# Altium PCB ASCII_LimeSDR-USB_1v4.PcbDoc (part 8 of 10) (continued)
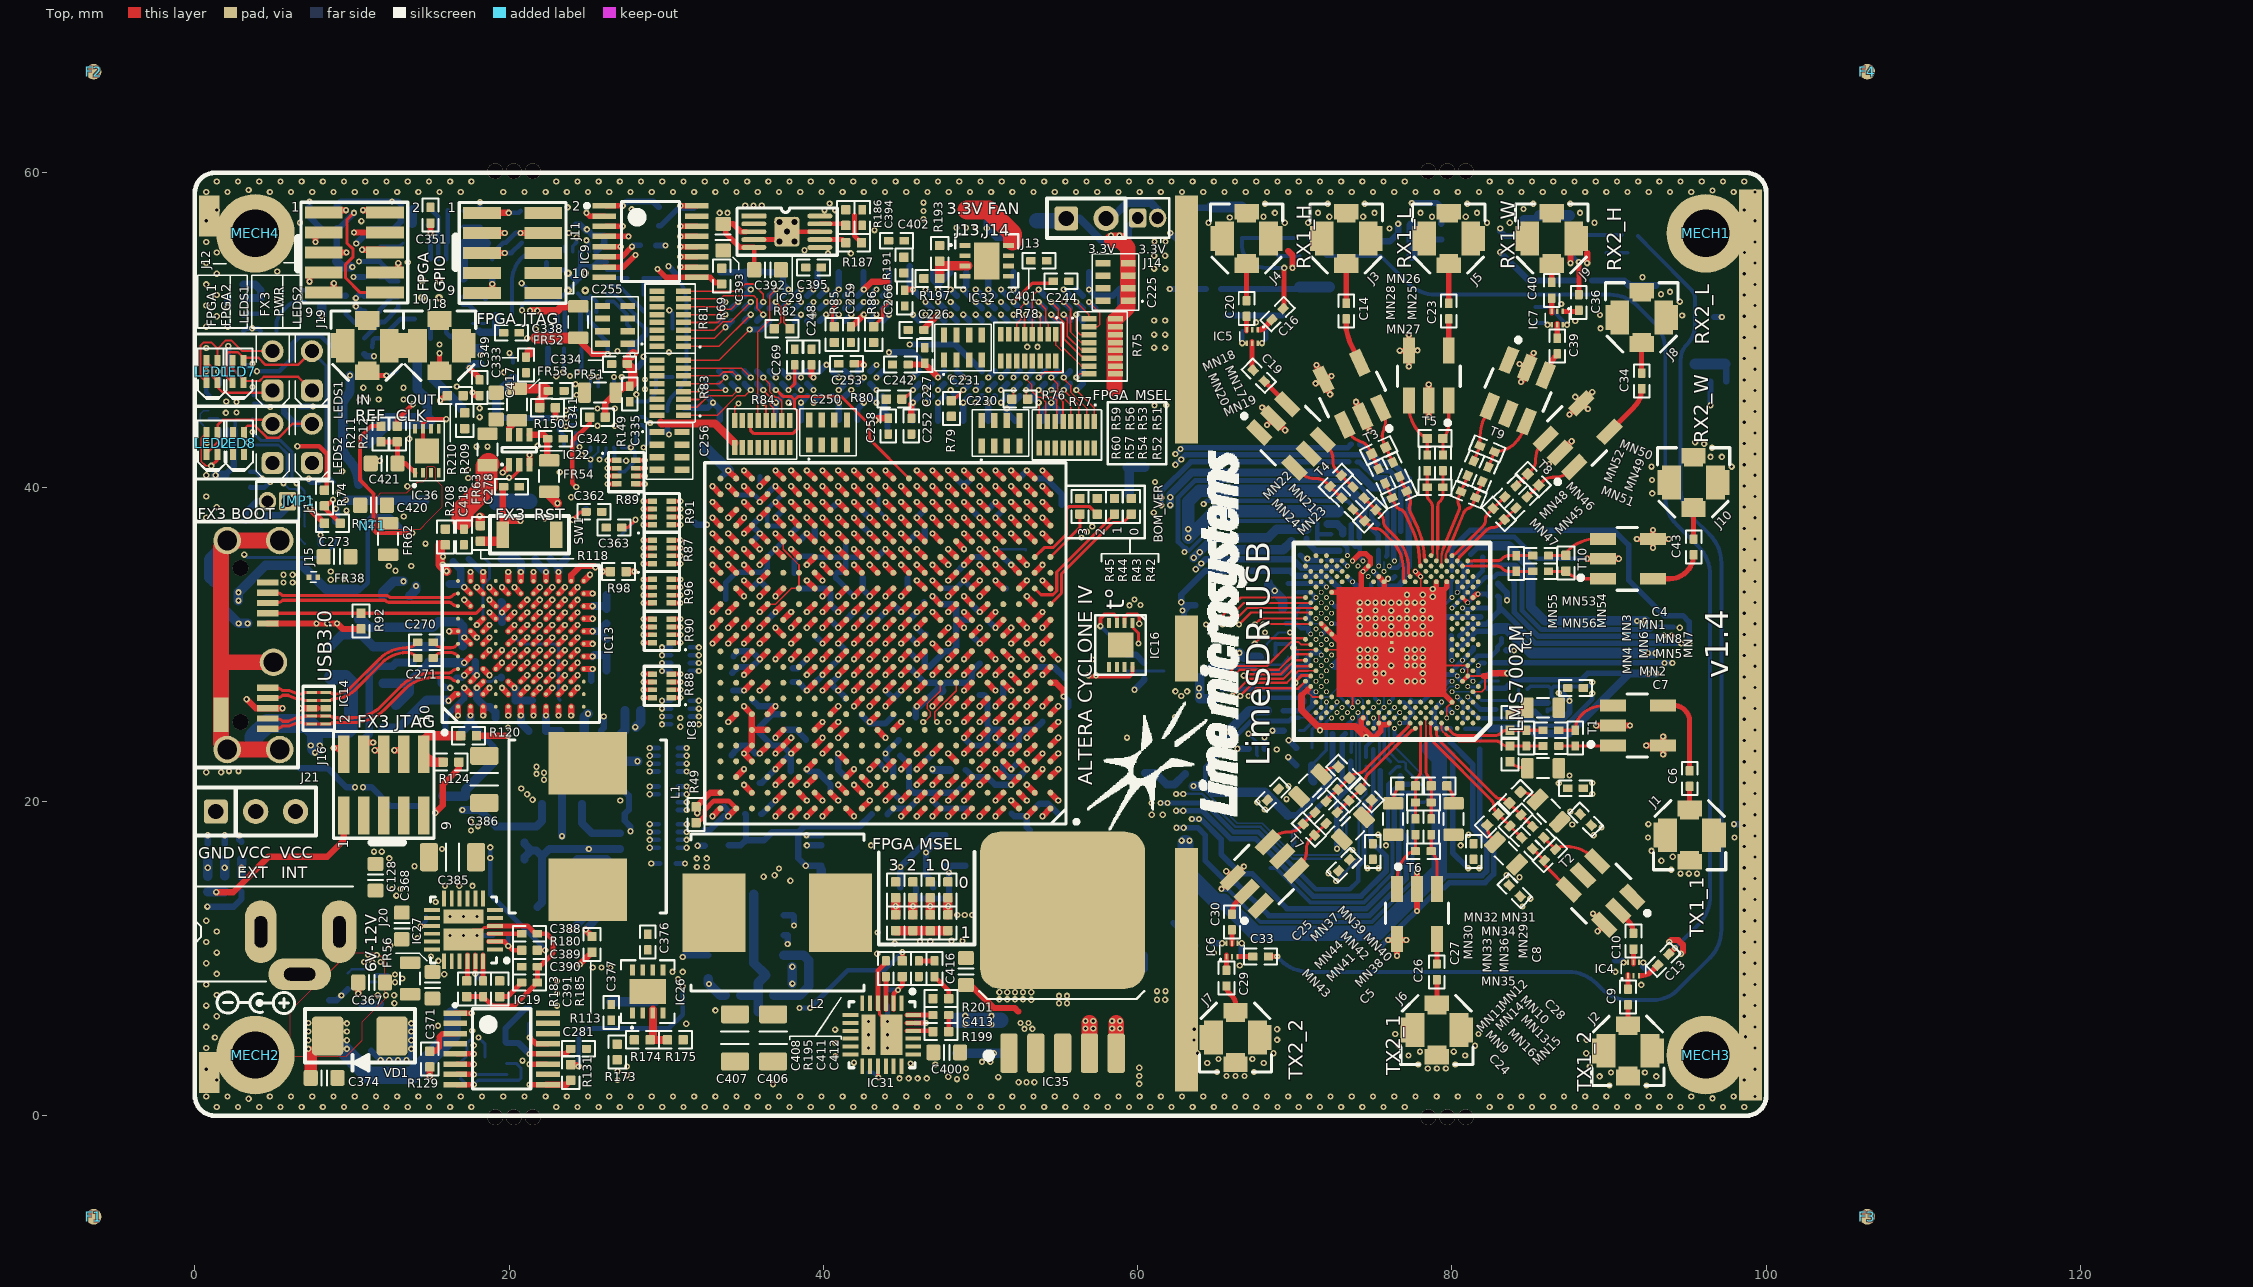
[diagram p0: Top view]
## Nets (pads, with @x,y where several pads share a name; then routed paths per layer and width w, separated by ;. In a path a pad name is that pad's centre, name@x,y a point inside that pad or via, vN(x,y) a via of type N, cw(c..) or ccw(c..) an arc to the next point about the centre after c; other vN are vias at no path point) (continued)
RXRF2_LAB_P: IC1.AN5 MN45.2 MN47.2 | length 5.1
  Top w0.2: IC1.AN5@80.339,35.304 80.374,35.339 ccw(c80.215,35.497) 80.439,35.497 82.223,37.281 cw(c82.582,36.922) 82.582,37.43 82.628,37.43 ccw(c82.628,37.938) 82.987,37.579 83.336,37.927 MN45.2@84.078,38.669
RXRF2_LBB_N: MN46.1 MN48.1 T8.3 | length 3.7
  Top w0.2: MN48.1@84.078,40.083 MN46.1@84.82,40.826 84.846,40.851 85.068,41.073 ccw(c84.445,41.697) 85.326,41.696 85.326,41.789 cw(c86.85,41.789) 85.772,42.867 T8.3@85.98,43.075
RXRF2_LBB_P: MN45.1 MN46.2 T8.1 | length 3.7
  Top w0.2: MN45.1@84.785,39.376 85.068,39.659 MN46.2@85.528,40.119 85.775,40.366 cw(c86.398,39.743) 86.398,40.624 86.491,40.624 ccw(c86.491,42.148) 87.568,41.071 T8.1@87.776,41.278
RXRF2_WAB_N: IC1.AM4 MN55.2 MN56.2 | length 4.6
  Top w0.11: IC1.AM4@80.672,34.971 81.226,34.971
  Top w0.2: 81.226,34.971 81.373,34.971 81.377,34.968 82.851,34.968 cw(c82.851,34.46) 83.21,34.819 83.243,34.787 ccw(c83.602,35.146) 83.602,34.638 MN55.2@84.094,34.638 MN56.2@85.144,34.638
RXRF2_WAB_P: IC1.AN3 MN53.2 MN55.1 | length 4.2
  Top w0.2: IC1.AN3@81.005,35.304 81.369,35.304 81.373,35.308 82.851,35.308 ccw(c82.851,35.816) 83.21,35.457 83.243,35.489 cw(c83.602,35.13) 83.602,35.638 MN55.1@84.094,35.638 MN53.2@85.144,35.638
RXRF2_WBB_N: MN54.1 MN56.1 T10.1 | length 3.5
  Top w0.2: MN56.1@86.144,34.638 86.544,34.638 MN54.1@87.194,34.638 ; MN54.1@87.254,34.643 ccw(c88.401,35.79) 88.401,34.168 T10.1@89.604,34.168
RXRF2_WBB_P: MN53.1 MN54.2 T10.3 | length 3.8
  Top w0.2: MN53.1@86.144,35.638 MN54.2@87.194,35.638 ; MN54.2@87.254,35.643 cw(c87.704,35.643) 87.386,35.961 87.389,35.964 cw(c89.185,34.168) 89.185,36.708 T10.3@89.604,36.708
SI5351_XTAL_N: C363.2 IC24.2 XT2.3 | length 15.3
  Top w0.2: C363.2@27.175,37.425 27.55,37.425 v1(28.05,37.925)
  L9 w0.2: v1(25.675,47) 25.575,46.9 25.575,46.151 25.075,45.651 25.075,44.001 23.925,42.851 23.925,41.274 26.2,38.999 26.2,38.4 26.675,37.925 v1(28.05,37.925)
  Bottom w0.2: IC24.2@25.675,46.375 v1(25.675,47) ; XT2.3@27.175,37 28.05,37.875 v1(28.05,37.925)
SI5351_XTAL_P: C362.2 IC24.1 XT2.1 | length 15.2
  Top w0.2: v1(24.05,37.925) 24.55,38.425 C362.2@24.9,38.425
  L9 w0.2: v1(24.05,37.925) 25.425,37.925 25.9,38.4 25.9,38.875 23.625,41.15 23.625,42.975 24.775,44.125 24.775,45.775 25.275,46.275 25.275,46.9 v1(25.175,47)
  Bottom w0.2: v1(24.05,37.925) 24.825,38.7 XT2.1@24.975,38.7 ; IC24.1@25.175,46.375 v1(25.175,47)
SI_CLK0: IC8.T2 IC24.13 | length 70.2
  Top w0.4: IC8.T2@53.45,34.55 v2(53.95,35.05)
  L10 w0.1: v1(25.75,41.75) 25.4,41.4 24.805,41.4 21.9,44.305 21.9,48.25 24.525,50.875 32.275,50.875 33.7,52.3 33.7,54.05 34.795,55.145 38.375,55.145 39.13,55.9 53.37,55.9 56.45,52.82 56.45,50.83 53.3,47.68 53.3,35.7 v2(53.95,35.05)
  Bottom w0.2: v1(25.75,41.75) 26.175,42.175 IC24.13@26.175,42.525
SI_CLK1: IC8.AA12 IC24.12 | length 40
  Top w0.4: v1(42.95,40.05) IC8.AA12@43.45,39.55
  L10 w0.1: v1(27.45,41.675) 27.355,41.675 22.55,46.48 22.55,48.051 24.774,50.275 31.675,50.275 33.775,48.175 41.25,48.175 42.2,47.225 42.2,41.95 42.475,41.675 42.475,40.525 v1(42.95,40.05)
  Bottom w0.25: IC24.12@26.675,42.525 26.7,42.5 26.7,41.875 26.9,41.675 v1(27.45,41.675)
SI_CLK2: IC8.AB12 IC24.9 | length 18.1
  Top w0.4: v1(42.95,41.05) IC8.AB12@43.45,40.55
  L6 w0.1: v1(28.55,42.525) 30.25,42.525 30.9,41.875 35.7,41.875 36.85,40.725 42.625,40.725 v1(42.95,41.05)
  Bottom w0.25: IC24.9@28.1,43.95 28.499,43.95 28.875,43.574 28.875,42.85 v1(28.55,42.525)
SI_CLK3: IC8.T22 IC24.8 | length 15
  Top w0.4: v1(32.95,35.05) IC8.T22@33.45,34.55
  L3 w0.1: v1(28.975,44.075) 28.2,43.3 28.2,42.275 28.4,42.075 28.85,42.075 30.525,40.4 30.525,35.005 30.755,34.775 32.675,34.775 v1(32.95,35.05)
  Bottom w0.25: IC24.8@28.1,44.45 28.6,44.45 v1(28.975,44.075)
SI_CLK4: IC24.19 R148.2 | length 8.3
  L4 w0.1: v1(23.625,44.875) cw(c23.625,44.09) 24.18,44.645 24.731,44.094 ccw(c26.527,45.89) 26.527,43.35 v1(30.175,43.35)
  Bottom w0.25: v1(23.625,44.875) 23.7,44.95 IC24.19@24.25,44.95 ; R148.2@30.025,43.875 R148.2@30.05,43.9
  Bottom w0.4: R148.2@30.075,43.85 30.075,43.45 v1(30.175,43.35)
SI_CLK5: IC8.G1 IC24.17 | length 42.8
  Top w0.4: IC8.G1@54.45,25.55 v2(54.95,26.05)
  L10 w0.1: v1(23.625,43.85) 24.897,43.85 27.1,41.647 27.1,41.045 30.062,38.083 30.062,35.468 31.2,34.33 31.2,33.35 32.175,32.375 40.325,32.375 40.617,32.667 47.508,32.667 47.85,32.325 48.2,32.325 54.475,26.05 v2(54.95,26.05)
  Bottom w0.25: v1(23.625,43.85) 23.725,43.95 IC24.17@24.25,43.95
SI_CLK6: IC8.AA11 IC24.16 | length 38.7
  Top w0.4: v1(43.95,40.05) IC8.AA11@44.45,39.55
  L10 w0.1: v1(24.475,42.55) 24.305,42.55 22.3,44.555 22.3,48.084 24.691,50.475 31.758,50.475 33.858,48.375 41.333,48.375 42.458,47.25 42.675,47.25 42.85,47.075 42.85,43.825 43.475,43.2 43.475,40.525 v1(43.95,40.05)
  Bottom w0.25: IC24.16@24.25,43.45 24.25,42.775 v1(24.475,42.55)
SI_CLK7: IC8.AB11 IC24.15 | length 38.7
  Top w0.4: v1(43.95,41.05) IC8.AB11@44.45,40.55
  L10 w0.1: v1(24.65,42.05) 24.48,42.05 22.1,44.43 22.1,48.167 24.608,50.675 31.841,50.675 33.941,48.575 41.416,48.575 42.541,47.45 42.758,47.45 43.05,47.158 43.05,43.908 43.725,43.233 43.725,41.275 v1(43.95,41.05)
  Bottom w0.25: v1(24.65,42.05) 24.874,42.05 25.175,42.351 IC24.15@25.175,42.525
TCXO_VC: R150.1 R157.2 XO1.1 XO2.1 | length 7.6
  Top w0.4: v1(22.95,44.4) R150.1@22.95,45.05
  Bottom w0.4: XO2.1@19.2,44.4 v1(22.95,44.4)
  Bottom w0.6: XO2.1@19.2,44.225 19.2,45.882 R157.2@20.26,46.943
TX1_2_LB_AT: C15.1 IC8.E16 R14.2 | length 156.5
  Top w0.4: IC8.E16@39.45,23.55 v1(39.95,24.05)
  L4 w0.1: v1(39.95,24.05) 39.738,24.05 38.7,23.012 38.7,22.525 37.475,21.3 37.475,19.929 36.675,19.129 36.675,18.941 37.575,18.041 37.575,16.846 39.021,15.4 41.784,15.4 43.109,14.075 52.484,14.075 60.309,6.25 63.976,6.25 65.226,5 67.299,5 69.324,7.025 75.761,7.025 77.736,5.05 80.464,5.05 83.164,7.75 92.85,7.75 97.2,12.1 97.2,36.466 97.5,36.766 97.5,39.764 94.7,42.564 94.7,49.714 88.664,55.75 88.425,55.75 65.2,55.75 v1(62.05,52.6)
  Bottom w0.4: v1(62.05,52.6) C15.1@63.275,52.6 R14.2@64.325,52.6
TX1_2_LB_H: C11.2 C22.2 IC4.4 IC5.6 IC8.F15 | length 152
  Top w0.4: IC8.F15@40.45,24.55 v1(40.95,25.05)
  L4 w0.1: v1(40.95,25.05) 40.325,24.425 40.325,23.93 39.995,23.6 39.571,23.6 38.9,22.929 38.9,22.442 37.689,21.231 37.689,19.709 37.3,19.319 37.3,18.759 37.775,18.284 37.775,16.949 38.449,16.275 39.642,16.275 40.317,15.6 41.867,15.6 43.192,14.275 52.567,14.275 60.392,6.45 64.059,6.45 65.309,5.2 67.216,5.2 69.241,7.225 75.844,7.225 77.819,5.25 80.381,5.25 84.631,9.5 90.545,9.5 90.72,9.325 91.75,9.325 v1(92.175,9.75) 92.175,10 97,14.825 97,36.549 97.3,36.849 97.3,39.682 94.5,42.481 94.5,49.631 88.581,55.55 88.288,55.55 72.4,55.55 69.9,53.05 69.9,50.108 68.951,49.159 v1(67.909,49.159)
  Bottom w0.254: v1(67.909,49.159) 68.2,49.45 C22.2@68.2,49.925
  Bottom w0.4: v1(92.175,9.75) 92.175,9.475 C11.2@92.571,9.079
TX1_2_LB_L: C12.2 C21.2 IC4.6 IC5.4 IC8.F14 | length 151
  Top w0.4: v1(40.95,24.05) IC8.F14@41.45,24.55
  L4 w0.1: v1(40.95,24.05) 40.889,24.05 40.239,23.4 39.805,23.4 39.3,22.895 39.3,21.905 39.095,21.7 38.775,21.7 38.3,21.225 38.3,20.743 37.975,20.418 37.975,19.711 37.5,19.236 37.5,18.842 37.975,18.367 37.975,17.031 38.531,16.475 39.725,16.475 40.4,15.8 41.95,15.8 43.275,14.475 52.65,14.475 60.475,6.65 64.142,6.65 65.392,5.4 67.133,5.4 69.158,7.425 75.926,7.425 77.901,5.45 80.299,5.45 84.599,9.75 v1(90.925,9.75) 91.68,9.75 91.975,10.045 91.975,10.083 96.8,14.908 96.8,36.631 97.1,36.931 97.1,39.599 94.3,42.399 94.3,49.549 88.499,55.35 72.483,55.35 70.1,52.967 70.1,50.025 68.825,48.75 67.067,48.75 v1(66.659,49.159)
  Bottom w0.254: v1@66.675,49.175 C21.2@66.675,49.925
  Bottom w0.4: C12.2@90.4,9.875 90.8,9.875 v1(90.925,9.75)
TX1_2_LB_SH: C17.1 C18.1 IC8.G15 R16.2 R17.1 | length 164.1
  Top w0.4: IC8.G15@40.45,25.55 v1(40.95,26.05)
  L4 w0.1: v1(40.95,26.05) 40.353,25.453 40.353,24.947 38.5,23.095 38.5,22.812 37.163,21.475 36.883,21.475 36.475,21.067 36.475,18.858 37.375,17.958 37.375,16.764 38.939,15.2 41.701,15.2 43.026,13.875 52.401,13.875 60.226,6.05 63.894,6.05 65.144,4.8 67.381,4.8 69.406,6.825 75.678,6.825 77.653,4.85 80.547,4.85 83.247,7.55 92.933,7.55 97.4,12.017 97.4,36.383 97.7,36.683 97.7,39.847 94.9,42.647 94.9,49.797 88.747,55.95 88.508,55.95 78,55.95 77.45,56.5 ; v1(62.075,56.175) 62.3,55.95 76.9,55.95 77.45,56.5 ; v1(77.45,58.075) 77.45,56.5
  Bottom w0.4: v1(62.075,56.175) 62.55,55.7 C18.1@63.275,55.7 R17.1@63.275,56.775 ; v1(77.45,58.075) 79.05,58.075 C17.1@79.325,57.8 R16.2@79.325,56.75
TX2_2_LB_AT: C35.1 IC8.E15 R18.2 | length 131.5
  Top w0.4: v1(39.95,23.05) IC8.E15@40.45,23.55
  L4 w0.1: v1(39.95,23.05) 39.5,22.6 39.5,21.822 39.178,21.5 38.858,21.5 38.5,21.142 38.5,20.661 38.175,20.336 38.175,19.629 37.7,19.154 37.7,18.925 38.175,18.45 38.175,17.114 38.614,16.675 39.808,16.675 40.483,16 42.033,16 43.358,14.675 52.733,14.675 60.558,6.85 64.225,6.85 65.475,5.6 67.05,5.6 69.075,7.625 76.009,7.625 77.984,5.65 80.216,5.65 84.516,9.95 90.1,9.95 91.05,10.9 92.509,10.9 96.6,14.991 96.6,36.714 96.9,37.014 96.9,39.516 94.1,42.316 94.1,49.466 88.416,55.15 83.275,55.15 v1(83.075,54.95)
  Bottom w0.4: v1(83.075,54.95) 84.875,53.15 C35.1@86.875,53.15 R18.2@87.925,53.15
TX2_2_LB_H: C31.2 C42.2 IC6.4 IC7.6 IC8.H11 | length 126.9
  Top w0.4: v1(43.95,26.05) IC8.H11@44.45,26.55
  L4 w0.1: v1(43.95,26.05) 43.95,25.555 42.995,24.6 42.429,24.6 41.429,23.6 40.722,23.6 40.4,23.278 40.4,22.571 39.925,22.096 39.925,21.183 39.362,20.62 38.742,20.62 38.375,20.253 38.375,17.197 38.697,16.875 39.891,16.875 40.566,16.2 42.117,16.2 43.417,14.9 52.792,14.9 56.917,10.775 65,10.775 65.225,10.55 66.2,10.55 v1(66.625,10.975) 69.775,7.825 76.092,7.825 78.067,5.85 80.133,5.85 84.433,10.15 90.017,10.15 90.967,11.1 92.426,11.1 96.4,15.074 96.4,36.797 96.7,37.097 96.7,39.433 93.9,42.233 93.9,49.383 91.608,51.675 88.325,51.675 87.325,50.675 v1(87.325,50.325)
  Bottom w0.254: C42.2@85.325,51.45 86.2,51.45 v1(87.325,50.325)
  Bottom w0.4: C31.2@66.625,10.3 v1(66.625,10.975)
TX2_2_LB_L: C32.2 C41.2 IC6.6 IC7.4 IC8.F11 | length 125.1
  Top w0.4: IC8.F11@44.45,24.55 v1(44.95,25.05)
  L4 w0.1: v1(44.95,25.05) 44.3,24.4 43.825,24.4 43.225,23.8 41.912,23.8 41.512,23.4 40.805,23.4 40.6,23.195 40.6,22.488 40.125,22.013 40.125,21.1 39.445,20.42 38.825,20.42 38.575,20.17 38.575,18.775 40.95,16.4 42.2,16.4 43.5,15.1 52.875,15.1 57,10.975 v1(65.375,10.975) 66.13,10.975 66.48,11.325 66.77,11.325 66.975,11.12 66.975,10.908 69.858,8.025 76.175,8.025 78.15,6.05 80.05,6.05 84.35,10.35 89.934,10.35 90.884,11.3 92.344,11.3 96.2,15.156 96.2,36.88 96.5,37.18 96.5,39.35 93.7,42.15 93.7,49.3 91.525,51.475 88.475,51.475 88.2,51.2 88.2,50.43 87.745,49.975 86.425,49.975 v1(86.075,50.325)
  Bottom w0.254: C41.2@85.325,50.45 85.95,50.45 v1(86.075,50.325)
  Bottom w0.4: C32.2@64.775,10.975 v1(65.375,10.975)
TX2_2_LB_SH: C37.1 C38.1 IC8.F16 R20.1 R21.2 | length 139.6
  Top w0.4: IC8.F16@39.45,24.55 v1(39.95,25.05)
  L4 w0.1: v1(39.95,25.05) 38.3,23.4 38.3,22.895 37.08,21.675 36.8,21.675 36.275,21.15 36.275,18.775 37.175,17.875 37.175,16.681 38.856,15 41.619,15 42.944,13.675 52.319,13.675 60.144,5.85 63.811,5.85 65.061,4.6 67.464,4.6 69.489,6.625 75.595,6.625 77.57,4.65 80.63,4.65 83.33,7.35 93.016,7.35 97.6,11.934 97.6,36.3 97.9,36.6 97.9,39.93 95.1,42.73 95.1,44.775 95.525,45.2 ; v1(83.075,56.45) 83.375,56.15 88.6,56.15 88.83,56.15 95.1,49.88 95.1,45.625 95.525,45.2 ; v1@96.45,45.2 95.525,45.2
  Bottom w0.4: v1(83.075,56.45) 83.075,56.275 83.375,55.975 R20.1@84.425,55.975 ; v1(96.455,45.21) C38.1@96.455,45.66 R21.2@96.455,46.712
TXPLL_CLK: C324.2 IC1.E5 R139.1 | length 73.4
  L10 w0.1: v1(24.325,47.3) 24.331,47.306 cw(c26.127,45.51) 26.127,48.05 27.073,48.05 cw(c27.073,45.51) 28.869,47.306 cw(c27.164,45.601) 29.575,45.601 29.575,45.594 ccw(c32.115,45.594) 30.091,44.059 ccw(c32.115,45.594) 30.319,43.797 31.009,43.107 cw(c28.985,41.573) 31.525,41.573 31.525,34.875 ccw(c33,34.875) 33,33.4 40.242,33.4 ccw(c40.242,34.083) 40.725,33.6 cw(c41.147,33.178) 41.147,33.775 45.053,33.775 cw(c45.053,33.178) 45.475,33.6 ccw(c45.958,34.083) 45.958,33.4 65.248,33.4 cw(c65.248,30.86) 67.044,32.656 67.231,32.469 ccw(c69.027,34.265) 69.027,31.725 70.007,31.725 cw(c70.007,30.957) 70.55,31.5 ccw(c71.032,31.982) 71.032,31.3 71.375,31.3 cw(c71.375,30.577) 71.887,31.088 72.056,30.919 ccw(c73.852,32.715) 73.852,30.175 77.95,30.175 cw(c77.95,29.425) 78.7,29.425 78.7,28.55 ccw(c80.947,28.55) 79.358,26.961 v4(80.339,25.98)
  Bottom w0.254: v1(24.325,47.3) 24.6,47.575 C324.2@24.6,47.775 R139.1@24.6,48.813
TXRF1_1AB_N: IC1.A7 MN3.1 MN6.1 MN8.1 | length 6.4
  Top w0.2: IC1.A7@79.673,24.648 79.708,24.613 79.756,24.613 80.001,24.369 ccw(c80.426,24.794) 80.426,24.193 82.755,24.193 ccw(c82.755,24.701) 83.114,24.342 83.147,24.374 cw(c83.506,24.015) 83.506,24.523 MN3.1@83.695,24.523 84.095,24.523 84.745,24.523 MN8.1@85.795,24.523
TXRF1_1AB_P: IC1.B8 MN4.1 MN5.2 MN6.2 | length 7.2
  Top w0.11: IC1.B8@79.34,24.981 79.34,24.626 ccw(c79.608,24.626) 79.418,24.436 79.568,24.286
  Top w0.2: 79.611,24.278 79.761,24.128 ccw(c80.426,24.794) 80.426,23.853 82.755,23.853 cw(c82.755,23.345) 83.114,23.704 83.147,23.672 ccw(c83.506,24.031) 83.506,23.523 MN4.1@83.695,23.523 84.745,23.523 MN5.2@85.795,23.523
TXRF1_1BB_N: MN7.1 MN8.2 T1.3 | length 4.2
  Top w0.2: MN8.2@86.795,24.523 MN7.1@87.845,24.523 cw(c89.245,24.523) 88.255,25.512 cw(c89.656,24.111) 89.656,26.093 T1.3@90.113,26.093
TXRF1_1BB_P: MN5.1 MN7.2 T1.1 | length 3.5
  Top w0.2: MN5.1@86.795,23.523 87.195,23.523 MN7.2@87.845,23.523 90.183,23.523 ccw(c90.183,23.625) T1.1@90.255,23.553
TXRF1_2AB_N: IC1.B10 MN11.1 MN14.2 MN16.2 | length 9.6
  Top w0.19: 78.626,24.481 78.626,24.865 cw(c78.79,24.865) IC1.B10@78.674,24.981
  Top w0.2: 78.626,24.481 ccw(c79.876,24.481) 78.992,23.597 82.405,20.184 82.518,20.071 cw(c82.159,19.712) 82.667,19.712 82.667,19.666 ccw(c83.175,19.666) 82.815,19.307 82.95,19.173 83.232,18.89 MN14.2@83.692,18.43 MN16.2@84.434,17.688
TXRF1_2AB_P: IC1.A9 MN12.1 MN13.2 MN14.1 | length 9
  Top w0.2: IC1.A9@79.007,24.648 79.007,24.373 ccw(c79.757,24.373) 79.227,23.843 82.713,20.357 82.758,20.311 ccw(c83.118,20.671) 83.118,20.163 83.163,20.163 cw(c83.163,19.655) 83.523,20.014 83.939,19.597 MN14.1@84.399,19.137 MN13.2@85.142,18.395
TXRF1_2BB_N: MN15.1 MN16.1 T2.4 | length 3.5
  Top w0.2: MN16.1@85.142,16.981 MN15.1@85.884,16.238 85.884,16.01 ccw(c86.031,16.01) 85.927,15.906 T2.4@87.444,14.39
TXRF1_2BB_P: MN13.1 MN15.2 T2.6 | length 4
  Top w0.2: MN13.1@85.849,17.688 MN15.2@86.591,16.945 cw(c87.023,16.513) 87.023,17.124 87.249,17.124 cw(c87.249,14.584) 88.987,16.437 cw(c87.249,14.584) 89.032,16.393 cw(c87.249,14.584) 89.045,16.38 T2.6@89.24,16.186
TXRF2_1AB_N: IC1.C11 MN31.1 MN34.1 MN36.1 | length 6.5
  Top w0.11: 78.341,24.809 IC1.C11@78.341,25.314
  Top w0.14: 78.341,24.809 78.341,24.069 78.35,24.059
  Top w0.2: 78.35,24.059 78.35,21.924 ccw(c78.858,21.924) 78.499,21.565 78.532,21.533 cw(c78.173,21.173) 78.681,21.173 MN31.1@78.681,20.984 78.681,20.584 MN34.1@78.68,19.934 MN36.1@78.68,18.884
TXRF2_1AB_P: IC1.B12 MN32.1 MN33.2 MN34.2 | length 6.2
  Top w0.14: IC1.B12@78.008,24.981 cw(c77.979,24.952) 78.02,24.952 78.02,24.069 78.01,24.059
  Top w0.2: MN33.2@77.68,18.884 MN34.2@77.68,19.934 MN32.1@77.68,20.984 77.68,21.173 cw(c78.188,21.173) 77.829,21.533 77.862,21.565 ccw(c77.502,21.924) 78.01,21.924 78.01,24.059
TXRF2_1BB_N: MN35.1 MN36.2 T6.3 | length 3.6
  Top w0.2: MN36.2@78.68,17.884 MN35.1@78.68,16.834 cw(c77.787,15.941) 79.05,15.941 T6.3@79.05,14.424
TXRF2_1BB_P: MN33.1 MN35.2 T6.1 | length 4
  Top w0.2: T6.1@76.51,14.424 76.51,15.014 cw(c78.791,15.014) 77.178,16.626 cw(c77.681,16.124) MN35.2@77.68,16.834 77.68,17.484 MN33.1@77.68,17.884
TXRF2_2AB_N: IC1.B14 MN39.1 MN42.2 MN44.2 | length 7.4
  Top w0.2: MN44.2@71.993,20.007 MN42.2@72.736,20.749 MN39.1@73.478,21.492 73.612,21.626 cw(c73.971,21.266) 73.971,21.774 74.017,21.774 ccw(c74.017,22.282) 74.377,21.923 74.924,22.471 77.242,24.789 cw(c77.466,24.789) 77.307,24.947 IC1.B14@77.342,24.981
TXRF2_2AB_P: IC1.A13 MN40.1 MN41.2 MN42.1 | length 7.4
  Top w0.2: MN41.2@72.7,19.3 MN42.1@73.443,20.042 73.902,20.502 MN40.1@74.185,20.784 74.319,20.919 ccw(c73.96,21.278) 74.468,21.278 74.468,21.324 cw(c74.976,21.324) 74.617,21.683 75.164,22.23 77.482,24.548 ccw(c77.482,24.772) 77.64,24.614 IC1.A13@77.675,24.648
TXRF2_2BB_N: MN43.1 MN44.1 T7.4 | length 3.7
  Top w0.2: T7.4@68.295,17.397 68.503,17.605 cw(c69.58,16.528) 69.58,18.052 69.673,18.052 ccw(c69.673,18.933) 70.296,18.31 MN43.1@70.544,18.557 71.003,19.017 MN44.1@71.286,19.3
TXRF2_2BB_P: MN41.1 MN43.2 T7.6 | length 3.7
  Top w0.2: T7.6@70.091,15.601 70.299,15.809 ccw(c69.221,16.887) 70.745,16.887 70.745,16.979 cw(c71.626,16.979) 71.003,17.602 MN43.2@71.251,17.85 MN41.1@71.993,18.592
VCC1P2: C115.2 C116.2 C117.2 C118.1 C119.1 C189.1 C190.1 C191.1 C192.1 C193.1 C194.1 C195.1 C196.1 C197.1 C198.1 C199.1 C200.1 C201.1 C202.1 C207.1 C208.1 C209.1 C210.1 C211.1 C212.1 C213.1 C214.1 C215.1 C216.1 C217.1 C218.1 C219.1 C220.1 C406.2 C407.2 FR36.1 FR44.2 FR45.2 FR46.2 FR48.1 IC8.G12 IC8.H9 IC8.J10 IC8.J11 IC8.J12 IC8.J13 IC8.J14 IC8.J16 IC8.K9 IC8.K14 IC8.K15 IC8.L9 IC8.L14 IC8.L16 IC8.M9 IC8.M14 IC8.M15 IC8.N9 IC8.N14 IC8.P9 IC8.P10 IC8.P11 IC8.P12 IC8.P13 IC8.P14 IC8.R8 IC8.R10 IC8.R12 L2.2 R195.1 | length 106.5
  Top w0.309: R195.1@45.025,9.85 v1(45.025,10.4)
  Top w0.4: v2(38.95,27.05) IC8.J16@39.45,27.55 ; v2(38.95,29.05) IC8.L16@39.45,29.55 ; v2(39.95,28.05) IC8.K15@40.45,28.55 ; v2(39.95,30.05) IC8.M15@40.45,30.55 ; v2(40.95,27.05) IC8.J14@41.45,27.55 ; v2(40.95,28.05) IC8.K14@41.45,28.55 ; v2(40.95,29.05) IC8.L14@41.45,29.55 ; v2(40.95,30.05) IC8.M14@41.45,30.55 ; v2(40.95,31.05) IC8.N14@41.45,31.55 ; v2(40.95,32.05) IC8.P14@41.45,32.55 ; v2(41.95,27.05) IC8.J13@42.45,27.55 ; v2(41.95,32.05) IC8.P13@42.45,32.55 ; v2(42.95,25.05) IC8.G12@43.45,25.55 ; v2(42.95,27.05) IC8.J12@43.45,27.55 ; v2(42.95,32.05) IC8.P12@43.45,32.55 ; v2(42.95,33.05) IC8.R12@43.45,33.55 ; v2(43.95,27.05) IC8.J11@44.45,27.55 ; v2(43.95,32.05) IC8.P11@44.45,32.55 ; v2(44.95,27.05) IC8.J10@45.45,27.55 ; v2(44.95,32.05) IC8.P10@45.45,32.55 ; v2(44.95,33.05) IC8.R10@45.45,33.55 ; v2(45.95,26.05) IC8.H9@46.45,26.55 ; v2(45.95,28.05) IC8.K9@46.45,28.55 ; v2(45.95,29.05) IC8.L9@46.45,29.55 ; v2(45.95,30.05) IC8.M9@46.45,30.55 ; v2(45.95,31.05) IC8.N9@46.45,31.55 ; v2(45.95,32.05) IC8.P9@46.45,32.55 ; v1(46.95,34.05) IC8.R8@47.45,33.55
  L10 w1.5: v1@7.625,23.1 7.625,22.6 8.15,22.075 13.7,22.075 14.75,23.125 20.925,23.125 21.425,23.625 27.775,23.625
  L6 w0.4: v2(41.95,32.05) v2(42.95,33.05) ; v2(43.95,32.05) v2(44.95,33.05) 45.95,33.05 v1(46.95,34.05)
  Bottom w0.309: v1(38.475,6.85) v1(39.15,6.85) 41.55,9.25 43.875,9.25 44.6,9.975 v1(45.025,10.4)
  Bottom w0.4: C209.1@38.05,27.6 38.4,27.6 v2(38.95,27.05) 39.4,27.5 39.425,27.5 39.95,28.025 v2(39.95,28.05) ; C210.1@38.05,28.475 38.375,28.475 v2(38.95,29.05) ; C117.2@38.4,33.55 40.157,33.55 40.45,33.257 C197.1@40.45,32.55 ; C217.1@39.475,30.525 v2(39.95,30.05) ; C198.1@40.425,31.55 40.45,31.55 v2(40.95,31.05) ; C197.1@40.425,32.55 C197.1@40.45,32.55 ; C119.1@40.475,28.55 40.95,29.025 v2(40.95,29.05) 40.95,29.075 C200.1@41.45,29.575 40.975,30.05 v2(40.95,30.05) ; v2(40.95,28.05) 40.95,27.975 40.475,27.5 40.925,27.05 v2(40.95,27.05) 41.375,26.625 C215.1@41.375,26.525 ; v2(40.95,32.05) C197.1@40.45,32.55 ; C194.1@41.475,31.55 41.475,31.575 v2(41.95,32.05) ; v2(41.95,27.05) 42.45,27.55 C214.1@42.45,27.575 ; C220.1@42.4,25.525 42.975,24.95 43.95,24.95 C218.1@44.5,25.5 ; C189.1@42.45,31.575 42.475,31.575 v2(42.95,32.05) ; C116.2@42.5,34.225 42.5,33.5 v2(42.95,33.05) C192.1@43.45,33.55 ; v2(42.95,27.05) 42.95,27.075 C213.1@43.45,27.575 ; C195.1@43.45,31.55 v2(43.95,32.05) ; C118.1@44.425,32.55 44.45,32.55 v2(44.95,32.05) ; C207.1@44.45,27.575 44.45,27.55 v2(43.95,27.05) 43.975,27.05 44.5,26.525 44.5,26.6 v2(44.95,27.05) C212.1@45.45,27.55 ; v2(44.95,33.05) 45.35,33.45 C193.1@45.35,34.2 ; C208.1@45.45,28.55 v2(45.95,28.05) 46.45,27.55 47.15,27.55 47.4,27.3 46.15,26.05 v2(45.95,26.05) 45.875,25.975 C191.1@45.875,25.35 ; C199.1@45.475,29.55 45.475,29.525 v2(45.95,29.05) ; C202.1@45.475,30.5 45.5,30.5 v2(45.95,30.05) ; C196.1@45.5,31.55 45.5,31.6 v2(45.95,32.05) 46.4,32.5 C190.1@46.4,32.675 ; v2(45.95,31.05) 46.4,30.6 C201.1@46.525,30.6 ; C115.2@47.375,27.175 47.75,27.55 49.175,27.55 49.45,27.825 49.45,28.275 FR36.1@49.95,28.775
  Bottom w0.6: C115.2@47.4,27.175 C115.2@47.525,27.05
  Bottom w0.9: 7.65,24.475 9.775,24.475 FR44.2@9.95,24.65 FR45.2@9.95,27.55 ; FR46.2@8.675,27.9 9.6,27.9 FR45.2@9.95,27.55 ; FR45.2@9.975,27.525 FR45.2@9.95,27.55
  Bottom w1: 7.65,23.375 7.65,24.475
  Bottom w1.2: FR48.1@3.75,23.55 3.75,24.1 4.6,24.95 7.175,24.95 7.65,24.475
  other v1: 31.95,15.825 32.575,15.825 31.95,16.375 32.575,16.375 7.65,23.1 7.375,23.55 7.95,23.55
VCC1P2D_FPGA: C120.2 C121.2 C122.2 C123.1 C124.1 C203.1 C204.1 C205.1 C206.1 FR36.2 IC8.E17 IC8.F6 IC8.U6 IC8.V17 | length 70.7
  Top w0.4: v2(37.95,23.05) IC8.E17@38.45,23.55 ; v2(37.95,37.05) IC8.V17@38.45,36.55 ; v2(48.95,24.05) IC8.F6@49.45,24.55 ; v2(48.95,35.05) IC8.U6@49.45,35.55
  L3 w0.4: v1(32.6,37.6) 32.65,37.55 37.45,37.55 v2(37.95,37.05) ; v2(37.95,23.05) 37.657,23.05 37.157,23.55 36.743,23.55 36.35,23.943 36.35,26.157 36.743,26.55 49.175,26.55 49.45,26.275 49.45,24.55 v2(48.95,24.05)
  L6 w0.4: v2(37.95,23.05) 38.45,23.55 38.45,36.55 v2(37.95,37.05) ; v2(48.95,24.05) 48.95,24.343 49.45,24.843 49.45,31.843 49.45,33.843 49.45,34.55 v2(48.95,35.05)
  Bottom w0.4: C122.2@31.825,37.725 31.95,37.6 v1(32.6,37.6) ; C120.2@35.95,24.55 35.95,24.343 36.743,23.55 37.475,23.55 37.475,23.475 v2@37.925,23.025 ; C120.2@35.95,24.757 36.743,25.55 C205.1@37.475,25.55 ; 37.45,22.55 v2@37.925,23.025 ; C121.2@37.925,21.925 v2@37.925,23.025 ; v2(37.95,37.05) 38.425,37.525 C206.1@38.425,37.575 ; C124.1@48.45,34.575 48.475,34.575 v2(48.95,35.05) ; v2(48.95,24.05) 49.45,23.55 50.157,23.55 50.45,23.843 50.45,24.257 50.743,24.55 ; v2@48.975,35.05 C204.1@49.45,35.525 49.45,35.55 50.45,35.55 C123.1@50.475,35.525 ; FR36.2@49.95,26.775 50.225,26.775 50.45,26.55 50.45,24.843 50.743,24.55 ; C203.1@51.45,24.55 50.743,24.55
VCC1P4_LMS: FR16.1 FR17.2 FR24.2 FR33.2 FR34.2 FR35.2 R188.1 | length 154.5
  L5 w0.7: 61.675,19.975 61.675,21.103 66.122,25.55 67.425,25.55 69.025,27.15 69.025,31.6 67.7,32.925 67.7,38.35
  L5 w0.8: 62.5,38.35 62.625,38.225
  L5 w1.4: 62.65,26.925 62.375,26.925 61.125,28.175 61.125,36.975 62.5,38.35 62.5,39.15 63.275,39.925 66.125,39.925 67.725,38.325 87.55,38.325 89.594,36.281 89.594,35.049 91.943,32.7 94.5,32.7 95.5,31.7 95.5,30.275 95.1,29.875 94.8,29.875
  Bottom w0.3: v1(61.45,19.9) v1(61.9,19.9) 64.244,19.9 66.091,18.052 67.688,18.052 71.34,14.4 73.5,14.4 74.033,14.933 74.033,15.858 74.4,16.225 74.4,19.85 75.001,20.451 FR17.2@75.001,23.314
  Bottom w0.35: FR33.2@80.001,34.694 80.001,36.091 81.16,37.25 90.325,37.25 91.25,36.325 91.25,34.075 93.5,31.825 94.694,31.825 95.094,31.425 v1(95.094,30.056) 85.314,30.056 83.076,32.294 83.006,32.294 83.006,32.994 FR35.2@82.931,33.069 ; FR16.1@80.51,30.525 81.249,31.264 82.164,31.264 83.006,32.106 83.006,32.156 FR34.2@83.075,32.225
  Bottom w0.5: v1(62.072,38.85) v1(62.072,39.35) 62.072,39.548 63.449,40.925 73.977,40.925 74.92,39.982 FR24.2@75.658,39.982
  other v1: 62.775,26.7 62.4,27 63.15,27 94.6,30.05
VCC1P8: C126.2 C127.2 C128.2 C129.2 C130.2 C131.1 C171.1 C172.1 C173.1 C174.1 C175.1 C176.1 C177.1 C178.1 C179.1 C180.1 C181.1 C182.1 C183.1 C184.1 C185.1 C186.1 C187.1 C188.1 C364.1 C365.1 C366.1 FR40.1 FR52.1 IC8.AA6 IC8.AB2 IC8.AB21 IC8.N4 IC8.P18 IC8.R4 IC8.T19 IC8.U4 IC8.V19 IC8.W4 IC8.W5 IC8.W9 IC8.W11 IC8.W12 IC8.W16 IC8.W18 IC8.Y14 IC8.Y19 IC24.10 IC24.11 IC24.14 R46.2 R131.2 R202.1 | length 68.3
  Top w0.3: R131.2@23.925,3.25 24.3,3.25 v1(24.425,3.125)
  Top w0.4: v2(33.95,41.05) IC8.AB21@34.45,40.55 ; v2(35.95,34.05) IC8.T19@36.45,34.55 ; v2(35.95,37.05) IC8.V19@36.45,36.55 ; v2(35.95,38.05) IC8.Y19@36.45,38.55 ; v2(36.95,32.05) IC8.P18@37.45,32.55 ; v2(36.95,38.05) IC8.W18@37.45,37.55 ; v2(38.95,38.05) IC8.W16@39.45,37.55 ; v2(40.95,39.05) IC8.Y14@41.45,38.55 ; v2(42.95,38.05) IC8.W12@43.45,37.55 ; v2(43.95,38.05) IC8.W11@44.45,37.55 ; v2(45.95,38.05) IC8.W9@46.45,37.55 ; v2(48.95,40.05) IC8.AA6@49.45,39.55 ; v2(49.95,38.05) IC8.W5@50.45,37.55 ; v2(50.95,31.05) IC8.N4@51.45,31.55 ; v2(50.95,34.05) IC8.R4@51.45,33.55 ; v2(50.95,36.05) IC8.U4@51.45,35.55 ; v2(50.95,38.05) IC8.W4@51.45,37.55 ; v2(52.95,41.05) IC8.AB2@53.45,40.55
  Top w0.5: v1@21.375,51.225 v1(21.8,51.225) 23.075,51.225 23.35,51.5 FR52.1@24.325,51.5
  L5 w0.6: v1@21.425,51.225 v1(21.8,51.225) 22.4,50.625 22.4,46.275 23.187,45.487 23.838,45.487 25.036,44.289
  Bottom w0.15: v1(25.175,41.75) 25.675,42.25 IC24.14@25.675,42.525 ; v2(50.95,36.05) 52.875,36.05 C180.1@52.875,35.975
  Bottom w0.25: C366.1@25.175,41.1 v1(25.175,41.75) ; C365.1@27.025,40.975 27.351,40.975 28.025,41.649 28.025,42.25 v1(27.75,42.525) ; IC24.11@27.175,42.525 v1(27.75,42.525) ; IC24.10@28.1,43.45 28.1,42.875 v1(27.75,42.525) ; C173.1@43.5,39.55 43.5,38.5 v2(43.95,38.05)
  Bottom w0.3: v1(24.425,3.125) 24.425,5.15 24.825,5.55 30.175,5.55 31.05,6.425 v1(31.05,8.225)
  Bottom w0.4: C178.1@33.45,40.55 v2(33.95,41.05) ; v2@33.95,41.15 v2(33.95,41.05) ; R46.2@34.45,40.55 v2(33.95,41.05) ; C131.1@35.45,33.575 v2@35.925,34.05 ; C186.1@35.475,36.525 35.95,37 v2(35.95,37.05) C182.1@35.475,37.525 35.475,37.575 v2(35.95,38.05) ; v2(35.95,34.05) C129.2@36.425,33.575 ; C171.1@36.5,31.55 36.5,31.6 v2(36.95,32.05) ; v2(36.95,38.05) C185.1@37.45,38.55 ; v2(38.95,38.05) 39.45,37.55 39.45,36.55 C176.1@39.425,36.55 ; C187.1@40.45,38.55 v2(40.95,39.05) ; C177.1@42.45,38.525 42.925,38.05 v2(42.95,38.05) ; C174.1@46.45,36.525 46.45,37.55 v2(45.95,38.05) C172.1@46.45,38.55 ; C130.2@48.45,40.575 v2@48.95,40.075 ; v2(48.95,40.05) v2@48.95,40.075 ; C183.1@49.45,40.575 v2@48.95,40.075 ; C188.1@49.475,38.575 49.475,38.525 v2(49.95,38.05) ; C181.1@50.45,31.525 50.925,31.05 v2(50.95,31.05) ; v2(50.95,34.05) 51.45,33.55 C179.1@51.625,33.55 ; v2(50.95,38.05) C184.1@51.425,38.525 ; C175.1@52.45,40.575 52.475,40.575 v2(52.95,41.05) 53.45,40.55 54.157,40.55 55.175,39.532 C127.2@55.175,38.875
  Bottom w0.7: C126.2@32.414,42.586 v2(33.95,41.05)
  other v1: 30.75,8.7 30.4,9.15 31.05,9.15 12.825,14 12.55,14.425 13.1,14.425 21.325,51.225